# Altium PCB eps-test.PcbDoc (part 2 of 2)
Units mm, origin at the board's own origin, x right, y up, seen from the top; angles counter-clockwise.
Board outline 95.76 x 90.17 mm, 2 copper layers (Top Layer, Bottom Layer); 211 components, 182 nets, 892 pads, 2 vias.
Unrouted connection lines stored in the file: 525.
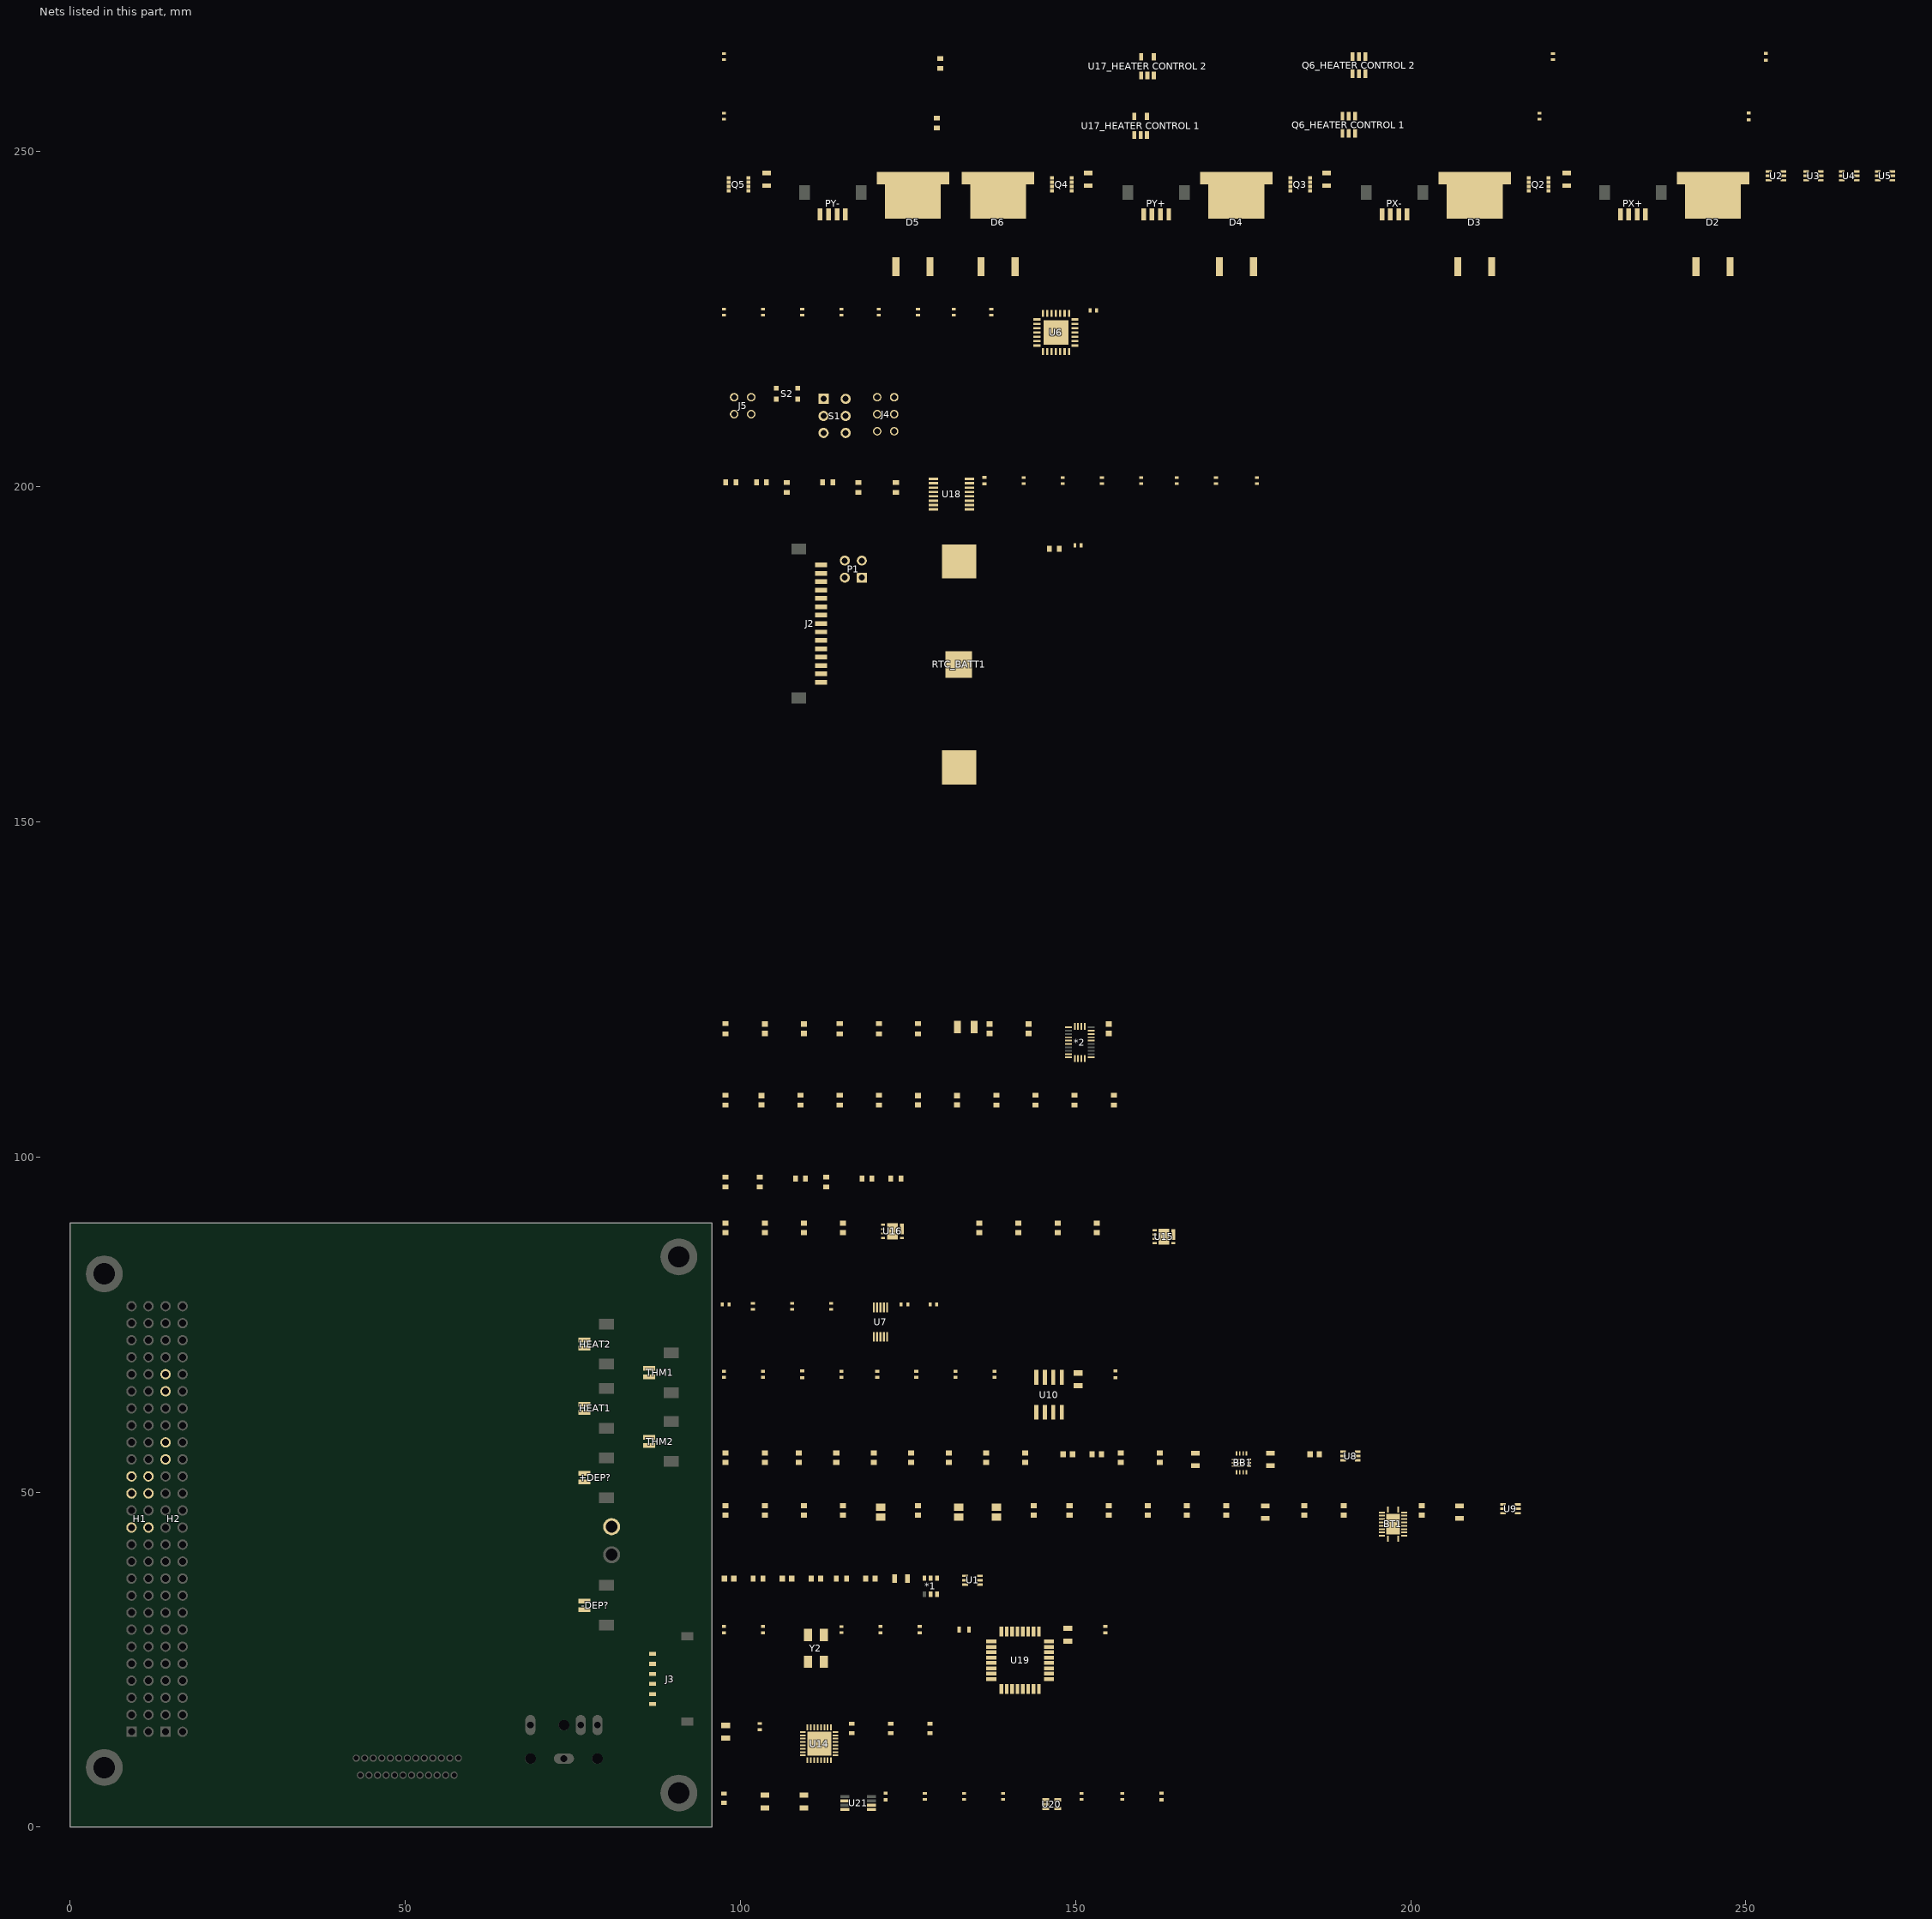
[diagram p2: the nets of this part, all layers, seen from the top]

## Part data
*1: "Battery Protection IC"
*2: "ACCEL/GYRO/MAG I2C 32BIT"
+DEP? -DEP?: library part "Header 2", "Header, 2-Pin DF13 Connector", Manufacturer=Hirose, Manufacturer Part Number=DF13A-2P-1.25H(21), Package Quantity=1000, Supplier Part Number 1=H125743CT-ND, Contact Gender=Male, Contact Material=Brass, Housing Material=Polyamide, LatestRevisionDate=17-Jul-2002, LatestRevisionNote="Re-released for DXP Platform.", Lead Free="Lead Free", Number of Positions=2, Number of Rows=1, Packaging="Tape and Reel", Pitch=1.25mm, Pricing 1="1=0.43, 10=0.403, 100=0.3087, 500=0.2684 (USD)", Publisher="Altium Limited", Stock 1=4810, Supplier 1=Digi-Key, Termination=SMD/SMT
BATT: "Header, 2-Pin", Manufacturer=Samtec, Manufacturer Part Number=IPBT-102-H1-T-S-RA-K, Supplier Part Number 1=SAM9552-ND, ComponentLink1Description=http://www.samtec.com/documents/webfiles/pdf/ipbt.pdf?src-supplier=Avnet, ComponentLink1URL=http://www.samtec.com/documents/webfiles/pdf/ipbt.pdf?src-supplier=Avnet, Gender=Male, LatestRevisionDate=17-Jul-2002, LatestRevisionNote="Re-released for DXP Platform.", Mount="Through Hole", Number of Contacts=2, Orientation="Right Angle", Packaging=Rail/Tube, Pitch=4.19mm, Pricing 1="1=1.39, 57=1.13298, 114=1.08149, 513=0.90125, 1026=0.7725, 5016=0.68495, 10032=0.6695 (USD)", Publisher="Altium Limited", Radiation Hardening=No, Stock 1=4351, Supplier 1=Digi-Key, Termination=Solder
BB1: "Buck-boost converter", Supplier Part Number 1=296-42036-6-ND, Supplier 1=Digi-Key
BT1: "Boost converter", Supplier Part Number 1=296-42129-1-ND, Supplier 1=Digi-Key
C1: library part Capacitor, "SMT Capacitor", Case/Package=0805, Case Code (Metric)=2012, Dielectric=X7R, Insulation Resistance=100GR, Manufacturer=Yageo, Manufacturer Part Number=CC0805KRX7R8BB104, Max Operating Temperature=125°C, Min Operating Temperature=-55°C, Package Quantity=1, Supplier Part Number 1=311-1141-6-ND, Tolerance=10%, Voltage Rating=25V, Capacitance=100nF, Case Code (Imperial)=0805, ComponentLink1Description=http://www.yageo.com/documents/recent/UPY-GPHC_X7R_6.3V-to-50V_18.pdf?src-supplier=Digi-Key, ComponentLink1URL=http://www.yageo.com/documents/recent/UPY-GPHC_X7R_6.3V-to-50V_18.pdf?src-supplier=Digi-Key, ComponentLink2Description=http://www.farnell.com/datasheets/1489800.pdf?src-supplier=Element14, ComponentLink2URL=http://www.farnell.com/datasheets/1489800.pdf?src-supplier=Element14, ComponentLink3Description=http://www.farnell.com/datasheets/1850775.pdf?src-supplier=Element14, ComponentLink3URL=http://www.farnell.com/datasheets/1850775.pdf?src-supplier=Element14, ComponentLink4Description=https://www.verical.com/server-webapp/html/getDatasheet?partID=330244&src-supplier=Verical, ComponentLink4URL=https://www.verical.com/server-webapp/html/getDatasheet?partID=330244&src-supplier=Verical, ComponentLink5Description=http://www.yageo.com/documents/recent/UPY-GPHC_X7R_6.3V-to-50V_8.pdf?src-supplier=Avnet+Europe, ComponentLink5URL=http://www.yageo.com/documents/recent/UPY-GPHC_X7R_6.3V-to-50V_8.pdf?src-supplier=Avnet+Europe, ComponentLink6Description=http://www.farnell.com/datasheets/1784427.pdf?src-supplier=Element14, ComponentLink6URL=http://www.farnell.com/datasheets/1784427.pdf?src-supplier=Element14, ComponentLink7Description=http://www.farnell.com/datasheets/70765.pdf?src-supplier=Element14, ComponentLink7URL=http://www.farnell.com/datasheets/70765.pdf?src-supplier=Element14, Composition=Ceramic, Depth=1.25mm, Halogen Free="Halogen Free", Height=0.85mm, Lead Free="Lead Free", Length=2mm, Material=Ceramic, Mount="Surface Mount", Number of Pins=2, Packaging="Tape and Reel", Pricing 1="1=0.13, 10=0.092, 100=0.0433, 500=0.0304, 1000=0.02516 (USD)", Radiation Hardening=No, REACH SVHC="No SVHC", Stock 1=1166693, Supplier 1=Digi-Key, Termination=SMD/SMT, Thickness=0.033inch, Voltage Rating (DC)=25V, Width=0.049inch
C2 C7 C17 C27 C28 C29 C30 C31: library part "Cap Semi", "Capacitor (Semiconductor SIM Model)", LatestRevisionDate=29-May-2009, LatestRevisionNote="IPC-7351 Footprint Added.", PackageDescription="Chip Capacitor", PackageReference=C1206, Published=8-Jun-2000, Publisher="Altium Limited"
C3 C4 C33 "C48_HEATER CONTROL 1" "C48_HEATER CONTROL 2" C49 C51 C52 C53 C56: library part CAP0402, "0402 capacitor", Capacitance=100nF, Case Code (Metric)=1005, Dielectric=X7R, Manufacturer="Taiyo Yuden", Manufacturer Part Number=EMK105B7104KVHF, Max Operating Temperature=125°C, Min Operating Temperature=-55°C, Package Quantity=10000, Ratings=AEC-Q200, Supplier Part Number 1=587-3807-1-ND, Tolerance=10%, Voltage Rating=16V, Case/Package=0402, Case Code (Imperial)=0402, Halogen Free="Halogen Free", Height=0.5mm, Lead Free="Lead Free", Length=0.039inch, Mount="Surface Mount", Packaging="Tape and Reel", Pricing 1="1=0.1, 10=0.057, 100=0.0254, 500=0.01812, 1000=0.01423, 2500=0.01294, 5000=0.0119 (USD)", Stock 1=18196, Supplier 1=Digi-Key, Termination=SMD/SMT, Thickness=0.022inch, Voltage Rating (DC)=16V, Weight=2.3E-05oz, Width=0.02inch
C5: library part CAP0402, "0402 capacitor", Capacitance=100pF, Dielectric=X7R, Dielectric Material=Ceramic, Manufacturer=KEMET, Manufacturer Part Number=C0402C101J5RACAUTO, Supplier Part Number 1=399-17545-1-ND, Tolerance=5%, Voltage Rating (DC)=50V, Case/Package=0402, Pricing 1="1=0.13, 10=0.092, 100=0.0409, 500=0.02918, 1000=0.02293, 2500=0.02084, 5000=0.01918 (USD)", Stock 1=193150, Supplier 1=Digi-Key
C6: library part CAP0402, "0402 capacitor", Capacitance=150nF, Case Code (Metric)=1005, Dielectric=X7R, Manufacturer=TDK, Manufacturer Part Number=CGA2B1X7R1A154M050BC, Max Operating Temperature=125°C, Min Operating Temperature=-55°C, Package Quantity=10000, Ratings=AEC-Q200, Supplier Part Number 1=445-12236-1-ND, Tolerance=20%, Voltage Rating=10V, Case/Package=0402, Case Code (Imperial)=0402, Height=0.5mm, Length=0.039inch, Mount="Surface Mount", Packaging="Tape and Reel", Pricing 1="1=0.15, 10=0.106, 100=0.05, 500=0.03508, 1000=0.02904, 2500=0.02702, 5000=0.02473 (USD)", Stock 1=9983, Supplier 1=Digi-Key, Thickness=0.022inch, Voltage Rating (DC)=10V, Weight=2.3E-05oz, Width=0.5mm
C8: library part Cap, "Cin, capacitor", Supplier Part Number 1=490-3896-6-ND, LatestRevisionDate=17-Jul-2002, LatestRevisionNote="Re-released for DXP Platform.", PackageDescription="Radial Cap, Thru-Hole; 2 Leads; 0.3 in Pin Spacing", PackageReference=RAD-0.3, Published=8-Jun-2000, Publisher="Altium Limited", Supplier 1=Digi-Key
C9: library part Cap, "Capacitor, Coutx", Supplier Part Number 1=490-3896-6-ND, LatestRevisionDate=17-Jul-2002, LatestRevisionNote="Re-released for DXP Platform.", PackageDescription="Radial Cap, Thru-Hole; 2 Leads; 0.3 in Pin Spacing", PackageReference=RAD-0.3, Published=8-Jun-2000, Publisher="Altium Limited", Supplier 1=Digi-Key
C10: library part Cap, "Capacitor, Coutbb1", Supplier Part Number 1=490-13245-1-ND, LatestRevisionDate=17-Jul-2002, LatestRevisionNote="Re-released for DXP Platform.", PackageDescription="Radial Cap, Thru-Hole; 2 Leads; 0.3 in Pin Spacing", PackageReference=RAD-0.3, Published=8-Jun-2000, Publisher="Altium Limited", Supplier 1=Digi-Key
C11 C12 C13 C14 C15 C16: library part Cap, "Capacitor", Supplier Part Number 1=311-1088-6-ND, LatestRevisionDate=17-Jul-2002, LatestRevisionNote="Re-released for DXP Platform.", PackageDescription="Radial Cap, Thru-Hole; 2 Leads; 0.3 in Pin Spacing", PackageReference=RAD-0.3, Published=8-Jun-2000, Publisher="Altium Limited", Supplier 1=Digi-Key
C18: library part Cap, "Capacitor, Cbst", Supplier Part Number 1=311-1344-6-ND, LatestRevisionDate=17-Jul-2002, LatestRevisionNote="Re-released for DXP Platform.", PackageDescription="Radial Cap, Thru-Hole; 2 Leads; 0.3 in Pin Spacing", PackageReference=RAD-0.3, Published=8-Jun-2000, Publisher="Altium Limited", Supplier 1=Digi-Key
C19: library part Cap, "Capacitor, Cinbt1", Supplier Part Number 1=490-9960-6-ND, LatestRevisionDate=17-Jul-2002, LatestRevisionNote="Re-released for DXP Platform.", PackageDescription="Radial Cap, Thru-Hole; 2 Leads; 0.3 in Pin Spacing", PackageReference=RAD-0.3, Published=8-Jun-2000, Publisher="Altium Limited", Supplier 1=Digi-Key
C20: library part Cap, "Capacitor, Cinbt2", Supplier Part Number 1=311-1141-6-ND, LatestRevisionDate=17-Jul-2002, LatestRevisionNote="Re-released for DXP Platform.", PackageDescription="Radial Cap, Thru-Hole; 2 Leads; 0.3 in Pin Spacing", PackageReference=RAD-0.3, Published=8-Jun-2000, Publisher="Altium Limited", Supplier 1=Digi-Key
C21: library part Cap, "Capacitor, Cvcc1", Supplier Part Number 1=399-7886-6-ND, LatestRevisionDate=17-Jul-2002, LatestRevisionNote="Re-released for DXP Platform.", PackageDescription="Radial Cap, Thru-Hole; 2 Leads; 0.3 in Pin Spacing", PackageReference=RAD-0.3, Published=8-Jun-2000, Publisher="Altium Limited", Supplier 1=Digi-Key
C22: library part Cap, "Capacitor, Ccomp1", Supplier Part Number 1=311-1068-6-ND, LatestRevisionDate=17-Jul-2002, LatestRevisionNote="Re-released for DXP Platform.", PackageDescription="Radial Cap, Thru-Hole; 2 Leads; 0.3 in Pin Spacing", PackageReference=RAD-0.3, Published=8-Jun-2000, Publisher="Altium Limited", Supplier 1=Digi-Key
C23: library part Cap, "Capacitor, Css1", Supplier Part Number 1=478-1226-1-ND, LatestRevisionDate=17-Jul-2002, LatestRevisionNote="Re-released for DXP Platform.", PackageDescription="Radial Cap, Thru-Hole; 2 Leads; 0.3 in Pin Spacing", PackageReference=RAD-0.3, Published=8-Jun-2000, Publisher="Altium Limited", Supplier 1=Digi-Key
C24: library part Cap, "Capacitor, Cout", Supplier Part Number 1=490-9960-6-ND, LatestRevisionDate=17-Jul-2002, LatestRevisionNote="Re-released for DXP Platform.", PackageDescription="Radial Cap, Thru-Hole; 2 Leads; 0.3 in Pin Spacing", PackageReference=RAD-0.3, Published=8-Jun-2000, Publisher="Altium Limited", Supplier 1=Digi-Key
C25: library part Cap, "Capacitor, Ccomp2", Supplier Part Number 1=311-3373-6-ND, LatestRevisionDate=17-Jul-2002, LatestRevisionNote="Re-released for DXP Platform.", PackageDescription="Radial Cap, Thru-Hole; 2 Leads; 0.3 in Pin Spacing", PackageReference=RAD-0.3, Published=8-Jun-2000, Publisher="Altium Limited", Supplier 1=Digi-Key
C26: library part Cap, "Capacitor", LatestRevisionDate=17-Jul-2002, LatestRevisionNote="Re-released for DXP Platform.", PackageDescription="Radial Cap, Thru-Hole; 2 Leads; 0.3 in Pin Spacing", PackageReference=RAD-0.3, Published=8-Jun-2000, Publisher="Altium Limited"
C32 C41 C50 C58 C60: library part CAP0805, "0805 capacitor", Capacitance=10uF, Dielectric=X7R, Manufacturer=Murata, Manufacturer Part Number=GCM21BR70J106KE22K, Max Operating Temperature=125°C, Min Operating Temperature=-55°C, Supplier Part Number 1=490-14361-1-ND, Tolerance=10%, Voltage Rating (DC)=6.3V, Case/Package=0805, Depth=1.25mm, Lead Free="Lead Free", Length=2mm, Packaging="Tape and Reel", Pricing 1="1=0.42, 10=0.29, 100=0.1742, 500=0.13064, 1000=0.11031, 2500=0.10451, 5000=0.0987 (USD)", Stock 1=214938, Supplier 1=Digi-Key
C34: library part CAP0402, "0402 capacitor", Capacitance=47pF, Dielectric=X7R, Manufacturer=KEMET, Manufacturer Part Number=C0402C470J3RACAUTO, Max Operating Temperature=125°C, Min Operating Temperature=-55°C, Supplier Part Number 1=399-17558-1-ND, Tolerance=5%, Case/Package=0402, Depth=0.5mm, Length=1mm, Packaging="Tape and Reel", Pricing 1="1=0.15, 10=0.104, 100=0.0489, 500=0.0343, 1000=0.0284, 2500=0.02643, 5000=0.02418 (USD)", Stock 1=18140, Supplier 1=Digi-Key
C35 C36 C37: library part "Cap Semi", "Capacitor (Semiconductor SIM Model)", Supplier Part Number=311-1341-1-ND, LatestRevisionDate=29-May-2009, LatestRevisionNote="IPC-7351 Footprint Added.", PackageDescription="Chip Capacitor", PackageReference=C1206, Published=8-Jun-2000, Publisher="Altium Limited", Supplier=Digi-Key, Supplier 1=Digi-Key
C38 C39 C40 C59: library part CAP0603, "0603 capacitor", Capacitance=1uF, Case Code (Metric)=1608, Manufacturer=KEMET, Manufacturer Part Number=C0603C105K4RACAUTO, Max Operating Temperature=125°C, Min Operating Temperature=-55°C, Ratings=AEC-Q200, Supplier Part Number 1=399-17704-1-ND, Tolerance=10%, Voltage Rating=16V, Case/Package=0603, Case Code (Imperial)=0603, Mount="Surface Mount", Packaging="Cut Tape", Pricing 1="1=0.17, 10=0.12, 100=0.0564, 500=0.03952, 1000=0.03273 (USD)", Stock 1=376276, Supplier 1=Digi-Key
C42 C44 C45 C47: library part "Cap Semi", "Capacitor (Semiconductor SIM Model)", Case/Package=0603, Case Code (Metric)=1608, Dielectric=X7R, Manufacturer=Murata, Manufacturer Part Number=GCM188R71C105KA64D, Max Operating Temperature=125°C, Min Operating Temperature=-55°C, Package Quantity=1, Ratings=AEC-Q200, Supplier Part Number 1=490-5241-1-ND, Tolerance=10%, Voltage=16V, Capacitance=1uF, Case Code (Imperial)=0603, ComponentLink1Description=http://psearch.murata.com/capacitor/product/GCM188R71C105KA64%23.pdf?src-supplier=Avnet, ComponentLink1URL=http://psearch.murata.com/capacitor/product/GCM188R71C105KA64%23.pdf?src-supplier=Avnet, ComponentLink2Description=http://www.murata.com/products/catalog/pdf/c03e.pdf?src-supplier=Future+Electronics, ComponentLink2URL=http://www.murata.com/products/catalog/pdf/c03e.pdf?src-supplier=Future+Electronics, ComponentLink3Description=http://search.murata.co.jp/Ceramy/image/img/A01X/partnumbering_e_02.pdf?src-supplier=Digi-Key, ComponentLink3URL=http://search.murata.co.jp/Ceramy/image/img/A01X/partnumbering_e_02.pdf?src-supplier=Digi-Key, ComponentLink4Description=https://www.murata.com/~/media/webrenewal/support/library/catalog/products/capacitor/mlcc/c03e.ashx?la=en-us&src-supplier=Digi-Key, ComponentLink4URL=https://www.murata.com/~/media/webrenewal/support/library/catalog/products/capacitor/mlcc/c03e.ashx?la=en-us&src-supplier=Digi-Key, ComponentLink5Description=http://psearch.murata.com/capacitor/product/GCM188R71C105KA64%23.pdf?src-supplier=Avnet+Europe, ComponentLink5URL=http://psearch.murata.com/capacitor/product/GCM188R71C105KA64%23.pdf?src-supplier=Avnet+Europe, Depth=0.8mm, Height=0.8mm, LatestRevisionDate=29-May-2009, LatestRevisionNote="IPC-7351 Footprint Added.", Lead Free="Lead Free", Length=1.6mm, Mount="Surface Mount", PackageDescription="Chip Capacitor", PackageReference=C1206, Packaging="Tape and Reel", Pricing 1="1=0.34, 10=0.235, 100=0.1412, 500=0.10588, 1000=0.08941 (USD)", Published=8-Jun-2000, Publisher="Altium Limited", Radiation Hardening=No, REACH SVHC="No SVHC", Stock 1=377297, Supplier 1=Digi-Key, Termination=SMD/SMT, Thickness=0.035inch, Voltage Rating=16V, Voltage Rating (DC)=16V, Width=0.031inch
C43 C46: library part "Cap Semi", "Capacitor (Semiconductor SIM Model)", Case/Package=0603, Case Code (Metric)=1608, Dielectric=X5R, Manufacturer=Murata, Manufacturer Part Number=GRM188R60J106ME47D, Max Operating Temperature=85°C, Min Operating Temperature=-55°C, Package Quantity=4000, Supplier Part Number 1=490-3896-1-ND, Tolerance=20%, Voltage=6.3V, Capacitance=10uF, Case Code (Imperial)=0603, ComponentLink1Description=https://www.murata.com/~/media/webrenewal/support/library/catalog/products/capacitor/mlcc/c02e.ashx?la=en-us&src-supplier=Digi-Key, ComponentLink1URL=https://www.murata.com/~/media/webrenewal/support/library/catalog/products/capacitor/mlcc/c02e.ashx?la=en-us&src-supplier=Digi-Key, ComponentLink2Description=http://www.farnell.com/datasheets/2047842.pdf?src-supplier=Farnell, ComponentLink2URL=http://www.farnell.com/datasheets/2047842.pdf?src-supplier=Farnell, ComponentLink3Description=http://components.arrow.com/part/dataview/43432894S8110083N2606?src-supplier=Arrow, ComponentLink3URL=http://components.arrow.com/part/dataview/43432894S8110083N2606?src-supplier=Arrow, ComponentLink4Description=http://www.farnell.com/datasheets/415295.pdf?src-supplier=Element14, ComponentLink4URL=http://www.farnell.com/datasheets/415295.pdf?src-supplier=Element14, ComponentLink5Description=https://www.murata.com/~/media/webrenewal/support/library/catalog/products/capacitor/mlcc/c02e.ashx?src-supplier=Distrelec, ComponentLink5URL=https://www.murata.com/~/media/webrenewal/support/library/catalog/products/capacitor/mlcc/c02e.ashx?src-supplier=Distrelec, ComponentLink6Description=http://search.murata.co.jp/Ceramy/image/img/w_hinm/L0005E.pdf?src-supplier=Future+Electronics, ComponentLink6URL=http://search.murata.co.jp/Ceramy/image/img/w_hinm/L0005E.pdf?src-supplier=Future+Electronics, ComponentLink7Description=http://www.produktinfo.conrad.com/datenblaetter/450000-474999/450781-da-01-de-VS_CHIP_KOND_0603_10_0_UF_20Pr_6_3V_X5R.pdf?src-supplier=Conrad, ComponentLink7URL=http://www.produktinfo.conrad.com/datenblaetter/450000-474999/450781-da-01-de-VS_CHIP_KOND_0603_10_0_UF_20Pr_6_3V_X5R.pdf?src-supplier=Conrad, ComponentLink8Description=http://www.produktinfo.conrad.com/datenblaetter/450000-474999/454401-da-01-en-VS_KONDENSATOR_0603.pdf?src-supplier=Conrad, ComponentLink8URL=http://www.produktinfo.conrad.com/datenblaetter/450000-474999/454401-da-01-en-VS_KONDENSATOR_0603.pdf?src-supplier=Conrad, Depth=0.8mm, Height=0.8mm, LatestRevisionDate=29-May-2009, LatestRevisionNote="IPC-7351 Footprint Added.", Lead Free="Lead Free", Length=1.6mm, Material=Ceramic, Mount="Surface Mount", PackageDescription="Chip Capacitor", PackageReference=C1206, Packaging="Tape and Reel", Pricing 1="1=0.37, 10=0.259, 100=0.1553, 500=0.11644, 1000=0.09833 (USD)", Published=8-Jun-2000, Publisher="Altium Limited", Radiation Hardening=No, REACH SVHC="No SVHC", Stock 1=21037979, Supplier 1=Digi-Key, Termination=SMD/SMT, Thickness=0.035inch, Voltage Rating=6.3V, Voltage Rating (DC)=6.3V, Width=0.031inch
C54 C55: library part CAP0402, "0402 capacitor", Capacitance=22pF, Case Code (Metric)=1005, Manufacturer=KEMET, Manufacturer Part Number=C0402C220K4RAC7867, Max Operating Temperature=125°C, Min Operating Temperature=-55°C, Supplier Part Number 1=399-17554-1-ND, Tolerance=10%, Voltage Rating=16V, Case/Package=0402, Case Code (Imperial)=0402, Mount="Surface Mount", Packaging="Tape and Reel", Pricing 1="1=0.19, 10=0.132, 100=0.062, 500=0.0435, 1000=0.03601, 2500=0.03351, 5000=0.03066 (USD)", Stock 1=68765, Supplier 1=Digi-Key
C57: library part CAP0402, "0402 capacitor", Capacitance=220pF, Case Code (Metric)=1005, Dielectric=X7R, Manufacturer=Murata, Manufacturer Part Number=GCM155R71H221KA37D, Max Operating Temperature=125°C, Min Operating Temperature=-55°C, Package Quantity=1, Ratings=AEC-Q200, Supplier Part Number 1=490-4912-1-ND, Tolerance=10%, Voltage=50V, Case/Package=0402, Case Code (Imperial)=0402, ComponentLink1Description=http://psearch.murata.com/capacitor/product/GCM155R71H221KA37%23.pdf?src-supplier=Avnet+Europe, ComponentLink1URL=http://psearch.murata.com/capacitor/product/GCM155R71H221KA37%23.pdf?src-supplier=Avnet+Europe, ComponentLink2Description=http://search.murata.co.jp/Ceramy/image/img/A01X/partnumbering_e_02.pdf?src-supplier=Digi-Key, ComponentLink2URL=http://search.murata.co.jp/Ceramy/image/img/A01X/partnumbering_e_02.pdf?src-supplier=Digi-Key, ComponentLink3Description=https://www.murata.com/~/media/webrenewal/support/library/catalog/products/capacitor/mlcc/c03e.ashx?src-supplier=Avnet, ComponentLink3URL=https://www.murata.com/~/media/webrenewal/support/library/catalog/products/capacitor/mlcc/c03e.ashx?src-supplier=Avnet, Depth=0.5mm, Height=0.5mm, Length=1mm, Mount="Surface Mount", Packaging="Tape and Reel", Pricing 1="1=0.1, 10=0.059, 100=0.0264, 500=0.01884, 1000=0.0148, 2500=0.01346, 5000=0.01238 (USD)", Radiation Hardening=No, Stock 1=141569, Supplier 1=Digi-Key, Termination=SMD/SMT, Thickness=0.022inch, Voltage Rating=50V, Voltage Rating (DC)=50V, Width=0.02inch
D1: library part LED, "Just a generic LED"
D2: "PV Diode", Supplier Part Number 1=296-35688-6-ND, Supplier 1=Digi-Key
D3 D4 D5 D6: "PV Diode"
"D7_HEATER CONTROL 1" "D7_HEATER CONTROL 2" D8 D9 D10 D11 D12 D13: "Generic 0603 LED. Use ChipLED from Osram for generic ones."
H1 H2: "PC/104(TM) Elevated Socket Strip, Through-hole, Vertical, -55 to 125 degC, 2.54 mm Pitch, 52-Pin, Female, RoHS", Manufacturer=Samtec, Supplier Part Number 1=92P1348, Temperature Range="-55 to 125 degC", ComponentLink1Description="Manufacturer URL", ComponentLink1URL=http://www.samtec.com, ComponentLink2Description=Datasheet, ComponentLink2URL=http://www.samtec.com/documents/webfiles/pdf/ESQ_TH.PDF, ComponentLink3Description="Package Specification", ComponentLink3URL=http://www.samtec.com/documents/webfiles/cpdf/ESQ-1XX-XX-X-X-XXX-XX-X-XX-MKT.pdf, DatasheetVersion=F-214, Mounting Technology=Through-hole, Orientation=Vertical, PackageDescription="ESQ Strip ASM", PackageReference=ESQ-126-23-X-D, PackageVersion="BZ, 9/1998", PartNumber=ESQ-126-23-G-D, Pitch="2.54 mm", RoHS=True, Supplier 1=Newark
  H2: Supplier 2=Digi-Key, Supplier Part Number 2=ESQ-126-23-G-D-ND
HEAT1 HEAT2 THM1 THM2: "2 pos DF13 right angle surface mount connector", Supplier Part Number 1=H125743CT-ND, Supplier 1=Digi-Key
J1: "Receptacle Assembly, 25 Position, Right Angle", PackageDocument=U, Supplier Part Number 1=WM2144-ND, ComponentLink1Description="Mini-D25 - Molex, LLC 0836149012", ComponentLink1URL=https://www.digikey.ca/product-detail/en/molex-llc/0836149012/WM2144-ND/1867000, DatasheetDocument=19-Mar-1999, Gender=Receptacle, LatestRevisionDate=17-Jul-2002, LatestRevisionNote="Re-released for DXP Platform.", Orientation="Right Angle", PackageReference=787202, Positions=25, Published=15-Jun-2001, Publisher="Altium Limited", Supplier 1=Digi-Key
J2: "15 pos DF13 right angle surface mount connector", Supplier Part Number 1=H125988CT-ND, Supplier 1=Digi-Key
J3: "Wire-To-Board Connector, Pico-Lock 504050 Series, Surface Mount, Header, 6, 1.5 mm"
J4: "6 pos 100mil pitch low profile header", Supplier Part Number 1=SAM1088-03-ND, Supplier 1=Digi-Key
J5: "4 pos 100mil pitch low profile header", Supplier Part Number 1=SAM1088-02-ND, Supplier 1=Digi-Key
L3: library part Inductor, "Inductor", Case Code (Metric)=1608, Current Rating=300mA, DC Resistance (DCR)=780mR, Inductance=10uH, Manufacturer=TDK, Manufacturer Part Number=MLZ1608N100LTD25, Max Operating Temperature=125°C, Min Operating Temperature=-55°C, Package Quantity=4000, Ratings=AEC-Q200, Saturation Current=60mA, Supplier Part Number 1=445-17067-1-ND, Test Frequency=2MHz, Tolerance=20%, Case/Package=0603, Case Code (Imperial)=0603, Code_IEC=1005, Code_JEITA=0402, Core Material=Ferrite, Height=0.8mm, Height - Seated (Max)=0.037inch, LatestRevisionDate=29-May-2009, LatestRevisionNote="IPC-7351 Footprint Added.", Lead Free="Lead Free", Length=0.063inch, Max DC Current=300mA, Mount="Surface Mount", PackageDescription="Chip Inductor", PackageReference=0402-A, Packaging="Tape and Reel", Pricing 1="1=0.22, 10=0.202, 100=0.1346, 500=0.11212, 1000=0.09419 (USD)", Published=8-Jun-2000, Publisher="Altium Limited", Shielding=Shielded, Stock 1=11876, Supplier 1=Digi-Key, Termination=SMD/SMT, Weight=0.000141oz, Width=0.8mm
P1: library part "Header 2X2", "Header, 2-Pin, Dual row / For shorting transceiver pins together for testing/debugging", LatestRevisionDate=17-Jul-2002, LatestRevisionNote="Re-released for DXP Platform.", Publisher="Altium Limited"
PX+ PX- PY-: library part "Header 4", "Header, 4-Pin", Supplier Part Number 1=WM7622CT-ND, LatestRevisionDate=17-Jul-2002, LatestRevisionNote="Re-released for DXP Platform.", Publisher="Altium Limited", Supplier 1=Digi-Key
PY+: library part "Header 4", "Header, 4-Pin", LatestRevisionDate=17-Jul-2002, LatestRevisionNote="Re-released for DXP Platform.", Publisher="Altium Limited"
Q2 Q3 Q4 Q5: "Power MOSFET", Case/Package=QFN, Continuous Drain Current (ID)=60A, Drain to Source Breakdown Voltage=25V, Gate to Source Voltage (Vgs)=16V, Input Capacitance=1.1nF, Manufacturer="Texas Instruments", Max Operating Temperature=150°C, Max Power Dissipation=2.7W, Min Operating Temperature=-55°C, Package Quantity=1, Supplier Part Number 1=296-24251-1-ND, Threshold Voltage=1.7V, ComponentLink1Description=http://www.ti.com/general/docs/lit/getliterature.tsp?genericPartNumber=CSD16406Q3&&fileType=pdf&src-supplier=Avnet, ComponentLink1URL=http://www.ti.com/general/docs/lit/getliterature.tsp?genericPartNumber=CSD16406Q3&&fileType=pdf&src-supplier=Avnet, ComponentLink2Description=http://www.ti.com/lit/ds/symlink/csd16406q3.pdf?src-supplier=Digi-Key, ComponentLink2URL=http://www.ti.com/lit/ds/symlink/csd16406q3.pdf?src-supplier=Digi-Key, ComponentLink3Description=http://www.mouser.com/ds/2/405/slps202a-128073.pdf?src-supplier=Mouser, ComponentLink3URL=http://www.mouser.com/ds/2/405/slps202a-128073.pdf?src-supplier=Mouser, ComponentLink4Description=http://www.farnell.com/datasheets/483980.pdf?src-supplier=Farnell, ComponentLink4URL=http://www.farnell.com/datasheets/483980.pdf?src-supplier=Farnell, ComponentLink5Description=http://www.ti.com/general/docs/lit/getliterature.tsp?genericPartNumber=CSD16406Q3&amp;&amp;fileType=pdf&src-supplier=Farnell, ComponentLink5URL=http://www.ti.com/general/docs/lit/getliterature.tsp?genericPartNumber=CSD16406Q3&amp;&amp;fileType=pdf&src-supplier=Farnell, ComponentLink6Description=http://www.farnell.com/simulation/1744921.zip?src-supplier=Element14, ComponentLink6URL=http://www.farnell.com/simulation/1744921.zip?src-supplier=Element14, Contact Plating=Tin,Matte, Drain to Source Voltage (Vdss)=25V, Dual Supply Voltage=25V, Element Configuration=Single, Fall Time=4.8ns, Lead Free="Contains Lead", Manufacturer Part Number=CSD16406Q3, Mount="Surface Mount", Nominal Vgs=1.7V, Number of Elements=1, Number of Pins=8, Packaging="Tape and Reel", Power Dissipation=2.7W, Pricing 1="1=1.1, 10=0.981, 100=0.7652, 500=0.63212, 1000=0.49904 (USD)", Radiation Hardening=No, Rds On Max=5.3mR, REACH SVHC="No SVHC", Rise Time=12.9ns, Stock 1=16574, Supplier 1=Digi-Key, Termination=SMD/SMT, Turn-Off Delay Time=8.5ns, Turn-On Delay Time=7.3ns
"Q6_HEATER CONTROL 1" "Q6_HEATER CONTROL 2": library part FDC637BNZCT-ND, "20V 6.2A, N-MOS, low gate on voltage", Supplier 1=Digi-Key, Supplier Part Number 1=FDC637BNZCT-ND
R1 R6 R8 R10 R11 R12 R43 R44 R45 R46 R55: library part Res3, "Resistor", LatestRevisionDate=29-May-2009, LatestRevisionNote="IPC-7351 Footprint Added.", PackageDescription="Chip Resistor", PackageReference=J1-0603, Published=8-Jun-2000, Publisher="Altium Limited"
R2: library part Resistor, "SMT Resistor", Case/Package=2512, Case Code (Metric)=6432, Manufacturer="Vishay Dale", Manufacturer Part Number=CRCW2512330RJNEG, Max Operating Temperature=155°C, Max Power Dissipation=1W, Min Operating Temperature=-55°C, Package Quantity=1, Resistance=330R, Supplier Part Number 1=541-330XDKR-ND, Temperature Coefficient=200ppm/°C, Tolerance=5%, Voltage Rating=500V, Case Code (Imperial)=2512, ComponentLink1Description=http://www.vishay.com/docs/20035/dcrcwe3.pdf?src-supplier=Digi-Key, ComponentLink1URL=http://www.vishay.com/docs/20035/dcrcwe3.pdf?src-supplier=Digi-Key, ComponentLink2Description=http://www.vishay.com/docs/20035/dcrcwe3.pdf?src-supplier=Avnet, ComponentLink2URL=http://www.vishay.com/docs/20035/dcrcwe3.pdf?src-supplier=Avnet, ComponentLink3Description=https://www.alliedelec.com/m/d/0c934d6939ccefa68dbe0b96d821c8cf.pdf?src-supplier=Allied+Electronics, ComponentLink3URL=https://www.alliedelec.com/m/d/0c934d6939ccefa68dbe0b96d821c8cf.pdf?src-supplier=Allied+Electronics, ComponentLink4Description=http://www.vishay.com/docs/20035/dcrcwe3.pdf?src-supplier=Future+Electronics, ComponentLink4URL=http://www.vishay.com/docs/20035/dcrcwe3.pdf?src-supplier=Future+Electronics, ComponentLink5Description=http://www.farnell.com/datasheets/1847332.pdf?src-supplier=Element14, ComponentLink5URL=http://www.farnell.com/datasheets/1847332.pdf?src-supplier=Element14, ComponentLink6Description=http://www.mouser.com/ds/2/427/dcrcwe3-109170.pdf?src-supplier=Mouser, ComponentLink6URL=http://www.mouser.com/ds/2/427/dcrcwe3-109170.pdf?src-supplier=Mouser, Composition="Thick Film", Contact Plating=Tin, Depth=3.15mm, Features="Automotive AEC-Q200", Height=0.6mm, Lead Free="Lead Free", Length=6.3mm, Military Standard=Not, Mount="Surface Mount", Number of Pins=2, Number of Terminations=2, Packaging="Tape and Reel", Power Rating=1W, Pricing 1="1=0.38, 10=0.318, 100=0.1242, 1000=0.05198 (USD)", Radiation Hardening=No, REACH SVHC=Unknown, Stock 1=42562, Supplier 1=Digi-Key, Termination=Solder, Voltage Rating (DC)=500V, Weight=0.001429oz, Width=0.124inch
R3: library part Res3, "Resistor", Supplier Part Number 1=P.010AVDKR-ND, LatestRevisionDate=29-May-2009, LatestRevisionNote="IPC-7351 Footprint Added.", PackageDescription="Chip Resistor", PackageReference=J1-0603, Published=8-Jun-2000, Publisher="Altium Limited", Supplier 1=Digi-Key
R4: library part Res3, "Resistor", Supplier Part Number 1=541-100KHCT-ND, LatestRevisionDate=29-May-2009, LatestRevisionNote="IPC-7351 Footprint Added.", PackageDescription="Chip Resistor", PackageReference=J1-0603, Published=8-Jun-2000, Publisher="Altium Limited", Supplier 1=Digi-Key
R5: library part Resistor, "SMT Resistor", Case/Package=2512, Case Code (Metric)=6432, Manufacturer="Vishay Dale", Manufacturer Part Number=CRCW25122K70JNEG, Max Operating Temperature=155°C, Max Power Dissipation=1W, Min Operating Temperature=-55°C, Package Quantity=2000, Resistance=2.7kR, Supplier Part Number 1=541-2.7KXDKR-ND, Temperature Coefficient=200ppm/°C, Tolerance=5%, Voltage Rating=500V, Case Code (Imperial)=2512, ComponentLink1Description=http://www.mouser.com/ds/2/427/dcrcwe3-109170.pdf?src-supplier=Mouser, ComponentLink1URL=http://www.mouser.com/ds/2/427/dcrcwe3-109170.pdf?src-supplier=Mouser, ComponentLink2Description=http://www.vishay.com/docs/20035/dcrcwe3.pdf?src-supplier=Avnet, ComponentLink2URL=http://www.vishay.com/docs/20035/dcrcwe3.pdf?src-supplier=Avnet, ComponentLink3Description=http://www.farnell.com/datasheets/2045674.pdf?src-supplier=Element14, ComponentLink3URL=http://www.farnell.com/datasheets/2045674.pdf?src-supplier=Element14, ComponentLink4Description=http://www.vishay.com/docs/20035/dcrcwe3.pdf?src-supplier=Digi-Key, ComponentLink4URL=http://www.vishay.com/docs/20035/dcrcwe3.pdf?src-supplier=Digi-Key, Composition="Thick Film", Contact Plating=Tin, Depth=3.15mm, Features="Automotive AEC-Q200", Height=0.028inch, Height - Seated (Max)=0.022inch, Lead Free="Lead Free", Length=6.3mm, Military Standard=Not, Number of Pins=2, Number of Terminations=2, Packaging="Tape and Reel", Power Rating=1W, Pricing 1="1=0.38, 10=0.318, 100=0.1242, 1000=0.05198 (USD)", Pricing 2="1=0.25, 10=0.211, 25=0.1532, 50=0.111, 100=0.0823, 250=0.06316, 500=0.04976, 1000=0.03445 (USD)", Radiation Hardening=No, REACH SVHC=Unknown, Stock 1=6589, Stock 2=1266, Supplier 1=Digi-Key, Supplier 2=Digi-Key, Supplier Part Number 2=P20019CT-ND, Termination=SMD/SMT, Voltage Rating (DC)=500V, Weight=0.001429oz, Width=3.15mm